# Altium PCB Holberton.PcbDoc (part 4 of 6)
Units mil, origin at the board's own origin, x right, y up, seen from the top; angles counter-clockwise.
Board outline 2963.39 x 3031.46 mil, 6 copper layers (Top Layer, GND, SL1, SL2, PWR, Bottom Layer), stack 30.516 mil thick; 455 components, 409 nets, 1505 pads, 1106 vias.
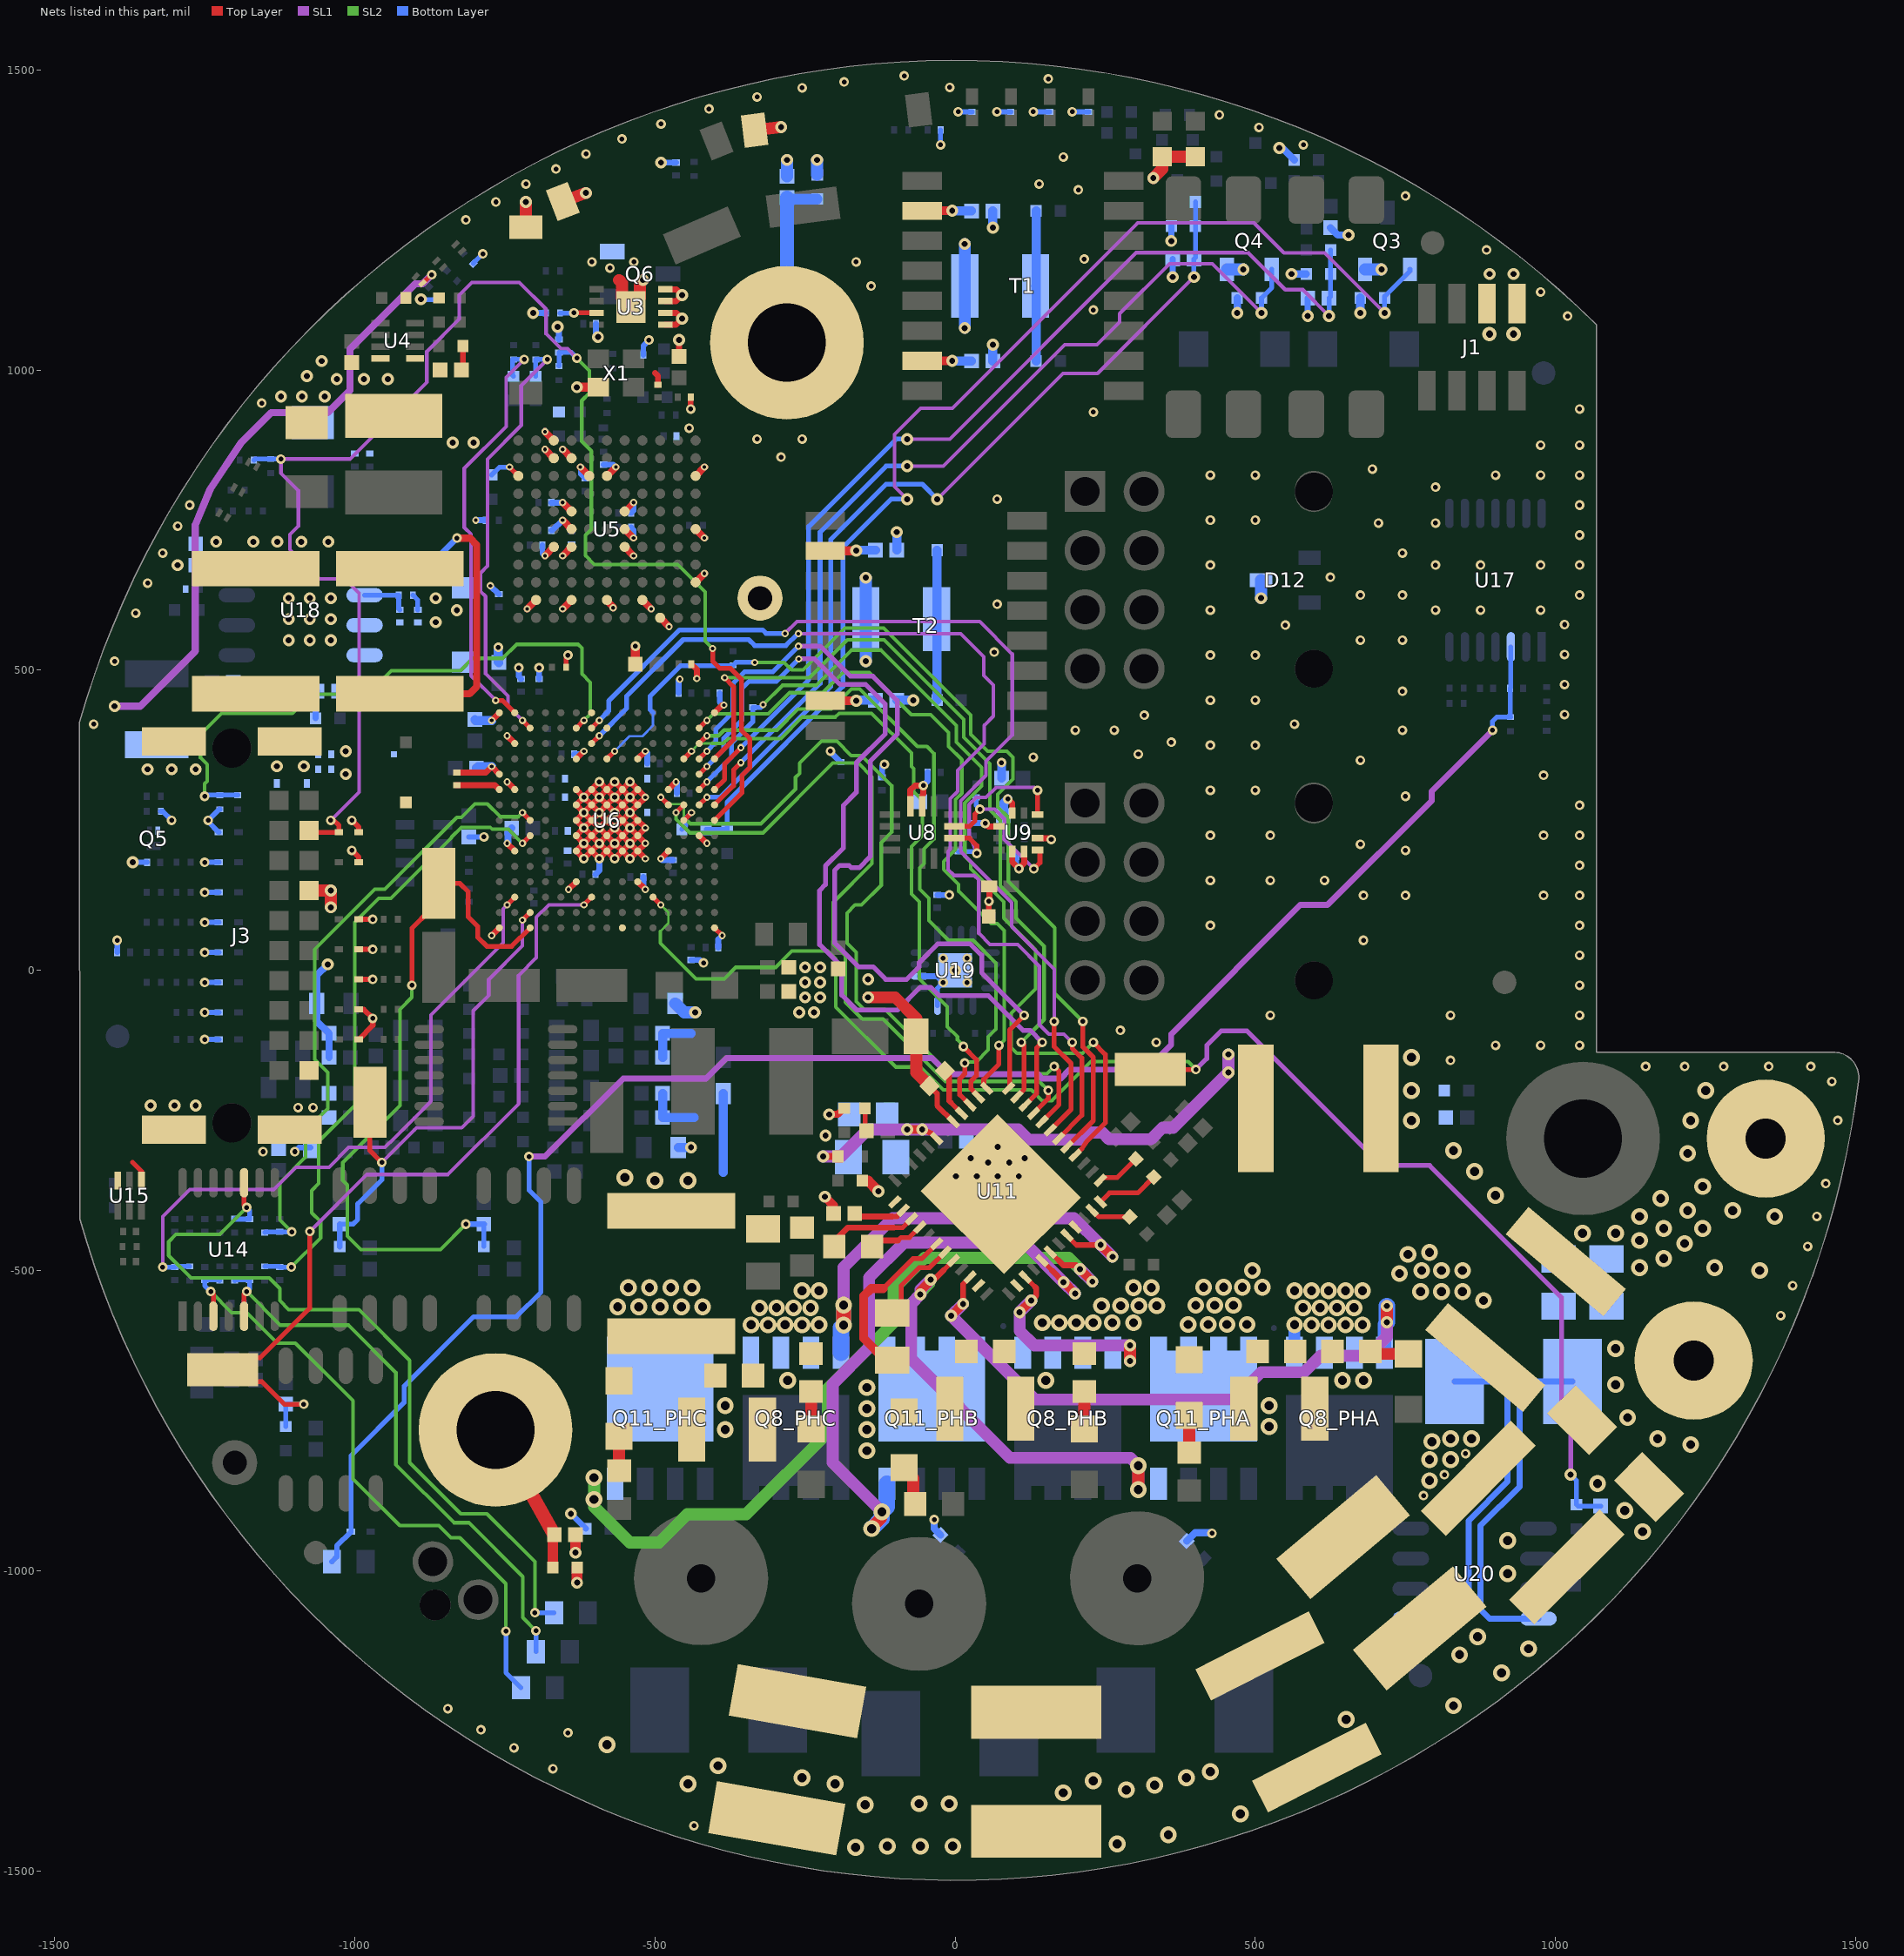
[diagram p8: the nets of this part, all layers, seen from the top]

## Via types
v1: diameter 16, hole 8, Top Layer to Bottom Layer, tented both sides, 470 vias
v2: diameter 20, hole 10, Top Layer to Bottom Layer, tented both sides, 272 vias
v3: diameter 12, hole 6, Top Layer to Bottom Layer, tented both sides, 199 vias
v4: diameter 28, hole 15, Top Layer to Bottom Layer, tented both sides, 159 vias
v5: diameter 24, hole 12, Top Layer to Bottom Layer, tented both sides, 6 vias

## Nets (pads, with @x,y where several pads share a name; then routed paths per layer and width w, separated by ;. In a path a pad name is that pad's centre, name@x,y a point inside that pad or via, vN(x,y) a via of type N, cw(c..) or ccw(c..) an arc to the next point about the centre after c; other vN are vias at no path point) (continued)
FB_STO1: C56.1 R43.1 R46.2 U6.G14 | length 1478.7
  Top Layer w8: U6.G14@-426.46,275.59 v3(-413.67,288.38)
  SL1 w6: v2(-30,785) 179.5,994.5 237.21,994.5 v2(397.71,1155)
  Bottom Layer w8: v3(-413.67,288.38) -391.62,288.38 -207,473 -207,718 -115,810 -55,810 v2(-30,785) ; v2(397.71,1155) C56.1@397.71,1185 400.17,1187.47 R46.2@400.18,1239.99 R43.1@400.18,1280
FB_STO2: C58.1 R47.1 R51.2 U6.F15 | length 1713.6
  Top Layer w8: U6.F15@-400.87,301.18 -384,318.05 -384,344 v3(-357,371)
  SL1 w6: v2(-80,885) -9,885 301.5,1195.5 488,1195.5 549.64,1133.86 578.85,1133.86 v2(622.71,1090)
  Bottom Layer w8: v3(-357,371) -244,484 -244,739.4 -98.4,885 v2(-80,885) ; v2(622.71,1090) C58.1@622.71,1120 625.18,1122.47 R51.2@625.18,1160 R47.1@625.17,1200
FSOE_STO1: Q4.1 R55.2 U6.G15 | length 1569.7
  Top Layer w8: U6.G15@-400.87,275.59 -369,307.46 -369,334 v3(-357,346)
  SL1 w6: v2(-80,840) -19.6,840 182.4,1042 236,1042 274,1080 274,1094 357,1177 428.18,1177 v2(510.18,1095)
  Bottom Layer w8: v3(-357,346) -225,478 -225,730 -115,840 v2(-80,840) ; v2(510.18,1095) R55.2@510.18,1120 527.41,1137.22 Q4.1@527.41,1167.76
FSOE_STO2: Q3.1 R54.2 R97.1 R98.1 | length 1955.4
  SL1 w6: v2(-80,785) -101,806 -101,892.8 -57.63,936.17 -4.83,936.17 304,1245 497.5,1245 547.5,1195 615.18,1195 v2(715.18,1095)
  Bottom Layer w8: R97.1@-414.82,235 -414.66,235.17 R98.1@-380.01,235.18 -380.01,279.99 -374,286 -187,473 -187,704.5 -106.5,785 v2(-80,785) ; v2(715.18,1095) R54.2@715.18,1120 715.18,1122.66 757.4,1164.88 Q3.1@757.4,1167.76
FSOE_STO2_CTRLR: R97.2 U6.H13 | length 52.5
  Top Layer w8: U6.H13@-452.05,249.99 v3(-439.26,262.79)
  Bottom Layer w8: R97.2@-455.18,235 -449,241.18 -449,253.05 v3(-439.26,262.79)
GD_CLK: U6.B7 U11.31 | length 1730.6
  Top Layer w8: U6.B7@-605.6,403.54 v3(-592.8,416.33) ; U11.31@158.41,-266.08 193,-231.5 193,-155 165,-127 v1(165,-85)
  SL1 w6: v3(-283.39,561.2) -263.38,581.21 40.79,581.21 95,527 95,392.1 51.47,348.57 51.47,324.78 9,282.31 9,197.9 93.82,113.08 93.82,73.18 165,2 v1(165,-85)
  Bottom Layer w8: v3(-592.8,416.33) -577,432.13 -577,449 -459,567 -390,567 -321,567 -315.2,561.2 v3(-283.39,561.2)
GD_CPH: C28.1 U11.4 | length 93.2
  Top Layer w8: -94.99,-449.99 -89.99,-444.99 -76.18,-444.99 U11.4@-58.73,-427.55
  Top Layer w10: C28.1@-138.5,-460 -128.5,-449.99 -94.99,-449.99
GD_CPL: C28.2 U11.3 | length 153
  Top Layer w8: -102.29,-428.45 -89.04,-428.45 -87.47,-428.45 U11.3@-72.65,-413.63
  Top Layer w10: C28.2@-201.5,-460 -201.49,-451.49 -178.45,-428.45 -102.29,-428.45
GD_CS: U6.G12 U11.32 | length 1434.2
  Top Layer w8: v3(-490.44,288.38) U6.G12@-477.64,275.59 ; U11.32@144.49,-252.16 173,-223.66 173,-168 v1(165,-160)
  SL2 w4: v3(-490.44,288.38) -479.05,277 -458,277 -452.06,271.05 -452.06,255.2 -444.86,248
  SL2 w6: -444.86,248 -441.14,244.28 -374,244.28 -323.72,244.28 -266,302 -266,321.3 -259,328.3 -259,345.18 -222.67,381.51 -196.73,381.51 -173.23,358 -156,358 -105.8,307.8 -105.8,230.36 -123.14,213.02 -123.14,141.86 -156.1,108.9 -166.7,108.9 -180.2,95.4 -180.2,45.2 -165,30 -165,-52 -152,-65 -117,-65 -9.67,-172.33 152.67,-172.33 v1(165,-160)
GD_DVDD: C18.1 U11.40 | length 82.5
  Top Layer w8: -7.19,-220.19 U11.40@10.86,-238.24
  Top Layer w9: C18.1@-17.48,-167.48 -10,-174.95 -10,-217.38 -7.19,-220.19
GD_FAULT_L: R83.1 U6.F14 U11.28 | length 1599.6
  Top Layer w8: U6.F14@-426.46,301.18 v3(-413.67,313.97) ; U11.28@200.17,-307.84 211.01,-296.99 218.99,-285.01 250,-254 250,-140 v1(230,-120)
  SL2 w6: v3(-320,442.5) -287.73,474.77 -231.65,474.77 -172.92,533.5 -123.5,533.5 2,408 2,380 44.1,337.9 44.1,307.1 16,279 16,190.2 26,180.2 26,169.4 81,114.4 81,87 134,34 134,-31 93.46,-71.54 93.46,-128.46 103,-138 212,-138 v1(230,-120)
  Bottom Layer w8: v3(-413.67,313.97) -372.3,355.34 -372.3,378.7 -337,414 R83.1@-337,438.19 -324.31,438.19 v3(-320,442.5)
GD_MISO: R80.1 U6.D8 U11.29 | length 1663.5
  Top Layer w8: U6.D8@-580.01,352.36 v3(-567.21,365.15) ; U11.29@186.25,-293.92 230,-250.18 230,-145 212.55,-127.55 v1(212.55,-85)
  SL2 w6: v3(-334,513) -285,513 -272.44,500.44 -253.36,500.44 -183.8,570 -119,570 26,425 26,393 54,365 86,365 96.34,354.66 96.34,318.56 71,293.22 71,272 88.58,254.42 88.58,148.42 166,71 166,-38.45 v1(212.55,-85)
  Bottom Layer w4: v3(-567.21,365.15) -542.36,390 -521,390 -503.23,407.77 -503.23,429.23
  Bottom Layer w8: -503.23,429.23 -508,434 -508,449 -508,456.84 -457.57,507.27 -370.92,507.27 -365,513.19 -334.19,513.19 v3(-334,513)
GD_MOSI: U6.C7 U11.30 | length 1775.1
  Top Layer w8: U6.C7@-605.6,377.95 v3(-592.8,390.74) ; U11.30@172.33,-280 211,-241.34 211,-146 195,-130 v1(195,-120)
  SL1 w6: v3(-261,561) 9,561 47.7,522.3 47.7,491.1 63.4,475.4 63.4,423.4 48.1,408.1 48.1,377.4 4,333.3 4,298 -8,286 -8,202 -12,198 -12,168 -2,158 31.6,158 39.33,150.26 39.33,61.67 58,43 104,43 140,7 140,-90 156,-106 181,-106 v1(195,-120)
  Bottom Layer w8: v3(-592.8,390.74) -547,436.54 -547,457 -453,551 -344,551 -334,541 -282,541 -262,561 v3(-261,561)
GD_PWM_EN: U6.G13 U11.33 | length 1279.9
  Top Layer w8: v3(-464.85,262.79) U6.G13@-452.05,275.59 ; U11.33@130.57,-238.24 155,-213.82 v1(155,-200)
  SL2 w6: v3(-464.85,262.79) -464.85,251.94 -442.03,229.13 -374,229.13 -319.87,229.13 -203.8,345.2 -161.2,345.2 -138.5,322.5 -138.5,177.9 -202.9,113.5 -202.9,43.9 -183,24 -183,-53 -155,-81 -120.22,-81 -26.27,-174.95 -16.35,-184.87 11.76,-184.87 139.87,-184.87 v1(155,-200)
GD_PWM_HA: U6.E14 U11.34 | length 1522.1
  Top Layer w8: U6.E14@-426.46,326.77 v3(-413.67,339.56) ; U11.34@116.65,-224.32 136,-204.98 136,-129 v1(145,-120)
  SL1 w8: v3(-260.6,518.8) -234.31,518.8 -191.51,476 -149,476 -116.57,443.57 -116.57,393.73 -164.5,345.79 -164.5,296.5 -186.5,274.5 -186.5,203.5 -216,174 -216,143 -226,133 -226,43 -189,6 -189,-41.02 -164.02,-66 -96,-66 -58,-28 -41,-28 -27,-42 55,-42 113,-100 125,-100 v1(145,-120)
  Bottom Layer w8: v3(-413.67,339.56) -385.3,367.93 -385.3,386.7 -355,417 -355,470 -343.3,481.7 -297.7,481.7 v3(-260.6,518.8)
GD_PWM_HB: U6.D14 U11.36 | length 1525.6
  Top Layer w8: U6.D14@-426.46,352.36 v3(-413.67,365.15) ; U11.36@88.81,-196.49 91,-194.3 91,-99 v1(115,-75)
  SL1 w8: v3(-261,540) -224.32,540 -174.32,490 -137,490 -96.39,449.39 -96.39,393.61 -141.38,348.62 -141.38,189.62 -160,171 -173,171 -177,175 -192.36,175 -201,166.36 -201,46 -161,6 -136.73,6 -115.73,-15 -81,-15 -60,6 -60,13 -29,44 25,44 44,25 44,-4 v1(115,-75)
  Bottom Layer w8: v3(-413.67,365.15) -398.7,380.12 -398.7,401.3 -370,430 -370,478 -350.9,497.1 -303.9,497.1 v3(-261,540)
GD_PWM_HC: U6.D13 U11.38 | length 1079.2
  Top Layer w8: U6.D13@-452.05,352.36 v3(-439.26,365.15) ; v1(13.61,-126.91) 35.47,-148.76 35.47,-175.24 26.55,-184.15 26.55,-197.23 38.7,-209.38 U11.38@38.7,-210.41
  SL2 w4: v3(-439.26,365.15) -426.46,377.95 -404.83,377.95
  SL2 w6: -404.83,377.95 -386.48,377.95 -378.19,386.24 -290.5,386.24 -254.74,422 -199.58,422 -193.28,428.3 -139.3,428.3 -73,362 -73,339.9 -69.1,336 -69.1,297.8 -54.73,283.43 -54.73,224.47 -73,206.2 -73,127.33 -59.68,114.01 -59.68,-14 -13.28,-60.4 -13.28,-93.72 3.83,-110.83 3.83,-115.48 13.61,-125.26 v1(13.61,-126.91)
GD_PWM_LA: U6.D15 U11.35 | length 1340.5
  Top Layer w8: U6.D15@-400.87,352.36 -369,384.23 -369,472.6 v3(-384,487.6) ; U11.35@102.73,-210.41 115,-198.14 115,-125 v1(110,-120)
  SL2 w6: v3(-384,487.6) -242.76,487.6 -179.72,550.64 -118.64,550.64 14,418 14,388 58,344 58,267 75,250 75,140.6 101,114.6 101,87 148,40 148,-82 v1(110,-120)
GD_PWM_LB: U6.B14 U11.37 | length 1173.3
  Top Layer w8: U6.B14@-426.46,403.54 v3(-413.67,416.33) ; U11.37@52.62,-196.49 47.61,-191.47 47.61,-181.43 72.81,-156.23 v1(72.81,-125)
  SL2 w6: v3(-413.67,416.33) -402.68,427.32 -311.31,427.32 -276.01,462.62 -220.24,462.62 -186.66,496.2 -143.3,496.2 -73.1,426 -41,426 -11,396 -11,373 11.08,350.92 11.08,295.08 0.61,284.61 0.61,200.91 -19,181.3 -19,168.1 5.7,143.4 5.7,132 59.7,78 70.03,78 81.62,66.41 81.62,-116.19 v1(72.81,-125)
GD_PWM_LC: U6.C14 U11.39 | length 1187.6
  Top Layer w8: U6.C14@-426.46,377.95 v3(-413.67,390.74) ; v1(15.84,-154.39) 15.84,-172.57 7.65,-180.77 7.65,-207.19 U11.39@24.78,-224.32
  SL2 w6: v3(-413.67,390.74) -394.26,390.74 -384.83,400.17 -296.96,400.17 -261.81,435.32 -206.22,435.32 -172.64,468.9 -158.9,468.9 -63,373 -47,373 -35.5,361.5 -35.5,218.64 -51.6,202.54 -51.6,178 -58.94,170.66 -58.94,135.05 -44,120.11 -44,83 -11,50 30,50 68.02,11.98 68.02,-97.84 55.09,-110.77 55.09,-132.58 35.19,-152.48 17.75,-152.48 v1(15.84,-154.39)
GD_SOA: R14.2 U11.25 | length 73.5
  Top Layer w8: U11.25@241.92,-349.6 246.53,-345 270.01,-345 R14.2@300.74,-314.27
GD_SOB: R15.2 U11.24 | length 106
  Top Layer w8: U11.24@241.92,-385.8 256.99,-370.73 304.28,-370.73 R15.2@330.74,-344.27
GD_SOC: R19.2 U11.23 | length 67.3
  Top Layer w8: U11.23@228.01,-399.71 239.02,-410.73 R19.2@290.73,-410.73
GD_VCP: C30.2 U11.7 | length 147.9
  Top Layer w8: C30.2@-105,-570.63 -89.99,-555.62 -89.99,-524.99 -59.99,-494.99 -42.67,-494.99 U11.7@-16.98,-469.31
GD_VGLS: C24.1 U11.2 | length 87
  Top Layer w9: -104.99,-409.99 -96.86,-409.99 U11.2@-86.57,-399.71
  Top Layer w10: C24.1@-167.29,-405 -162.28,-409.99 -104.99,-409.99
GHA: Q11_PHA.4 U11.8 | length 826.2
  Top Layer w8: -19,-499.17 U11.8@-3.06,-483.23
  Top Layer w10: v2(-41,-515) -34.83,-515 -19,-499.17
  Top Layer w15: v2(-58,-540) -58,-533.7 -41,-516.7 v2(-41,-515)
  Top Layer w20: v4(305,-865) v4(305,-825)
  SL1 w20: v2(-41,-515) -57.5,-531.5 -57.5,-539.5 v2(-58,-540) -73,-555 -73,-648 91,-812 292,-812 v4(305,-825) v4(305,-865)
  SL2 w15: v2(-58,-540) -41,-523 v2(-41,-515)
  Bottom Layer w15: v2(-58,-540) -58,-529.69 -43.31,-515 v2(-41,-515)
GHB: Q11_PHB.4 U11.17 | length 1138
  Top Layer w8: U11.17@144.49,-483.23 161.5,-500.23
  Top Layer w10: 161.5,-500.25 v2(180.58,-519.32)
  Top Layer w15: v2(180.58,-519.32) v2(199.63,-538.37)
  Top Layer w20: v4(-138.89,-930) -138.89,-927.84 -123.53,-912.48 -123.53,-903.53 v4(-122,-902)
  SL1 w20: v4(-138.89,-930) -138.89,-927.84 -123.53,-912.48 -123.53,-903.53 v4(-122,-902) -204,-820 -204,-689 -143.4,-628.4 -143.4,-511.8 -85.3,-453.7 114.95,-453.7 v2(180.58,-519.32) v2(199.63,-538.37)
  SL2 w15: v2(180.58,-519.32) v2(199.63,-538.37)
  Bottom Layer w15: v2(180.58,-519.32) v2(199.63,-538.37)
  Bottom Layer w26.95: v4@-138.69,-929.8 -122.2,-913.31 -122.2,-902.2 v4(-122,-902) ; v4@-122,-901.72 -113.89,-893.61 Q11_PHB.4@-113.89,-855.05
GHC: Q11_PHC.4 U11.18 | length 1340.5
  Top Layer w8: U11.18@158.41,-469.31 170,-480.89 172.05,-482.95
  Top Layer w10: 172.05,-482.95 180.1,-491 201.09,-491 v2(207.99,-497.91)
  Top Layer w15: v2(207.99,-497.91) v2(228.54,-518.46)
  SL1 w20: v2(207.99,-497.91) v2(228.54,-518.46)
  SL2 w20: v4(-601.44,-845) v4(-601.44,-881.38) -601.44,-893.56 -542.1,-952.9 -492.9,-952.9 -446,-906 -348,-906 -212,-770 -212,-696 -131,-615 -102.5,-586.5 -102.5,-530.5 -51,-479 189.09,-479 v2(207.99,-497.91) v2(228.54,-518.46)
  Bottom Layer w15: v2(207.99,-497.91) v2(228.54,-518.46)
GLA: Q8_PHA.4 U11.10 | length 1145.9
  Top Layer w8: 13.11,-522.74 U11.10@24.78,-511.07
  Top Layer w10: v2(13.11,-555.51) 13.11,-522.74
  Top Layer w15: v2(-6.69,-575.31) v2(13.11,-555.51)
  Top Layer w20: v2(718.93,-586) v2(718.93,-559)
  SL1 w20: v2(13.11,-555.51) v2(-6.69,-575.31) 133,-715 464,-715 509.79,-669.21 581.27,-669.21 608.5,-641.97 686.96,-641.97 718.93,-610 v2(718.93,-586) v2(718.93,-559)
  SL2 w15: v2(-6.69,-575.31) v2(13.11,-555.51)
  Bottom Layer w15: v2(-6.69,-575.31) v2(13.11,-555.51)
  Bottom Layer w23: Q8_PHA.4@714.93,-636.95 714.93,-590 v2(718.93,-586)
  Bottom Layer w26.95: v2(718.93,-586) v2(718.93,-559)
GLB: Q8_PHB.4 U11.15 | length 436.2
  Top Layer w8: U11.15@116.65,-511.07 133,-527.41
  Top Layer w10: v2(126.74,-549.94) v2(126.74,-549.94) 135,-541.69 135,-529.42 133,-527.42
  Top Layer w15: v2(107.34,-569.34) v2(126.74,-549.94)
  Top Layer w20: v2(291.4,-650.54) v2(291.4,-624.83)
  SL1 w20: v2(126.74,-549.94) v2(107.34,-569.34) 107.34,-600.34 131.83,-624.83 v2(291.4,-624.83) 291.4,-647.53 v2(291.4,-650.54)
  SL2 w15: v2(107.34,-569.34) v2(126.74,-549.94)
  Bottom Layer w15: v2(107.34,-569.34) v2(126.74,-549.94)
GLC: Q8_PHC.4 U11.20 | length 864.8
  Top Layer w8: U11.20@186.25,-441.47 202.36,-457.58
  Top Layer w10: 202.36,-457.58 242.02,-457.58 v2(242.27,-457.33)
  Top Layer w15: v2(242.27,-457.33) v2(261.97,-477.03)
  Top Layer w25: v4(-185.95,-590.76) v4(-185.95,-557.75)
  SL1 w20: v4(-185.95,-557.75) -185.95,-494.55 -104.3,-412.9 197.84,-412.9 v2(242.27,-457.33) v2(261.97,-477.03)
  SL1 w25: v4(-185.95,-590.76) v4(-185.95,-557.75)
  SL2 w15: v2(242.27,-457.33) v2(261.97,-477.03)
  Bottom Layer w15: v2(242.27,-457.33) v2(261.97,-477.03)
  Bottom Layer w25: v4(-185.95,-590.76) v4(-185.95,-557.75)
  Bottom Layer w26.95: Q8_PHC.4@-190.17,-636.95 -190.17,-594.97 v4(-185.95,-590.76)
GND: C1.2 C2.2 C4.2 C5.2 C6.2 C7.2 C8.2 C9.1 C10.1 C11.2 C14.2 C15.2 C16.2 C17.2 C18.2 C24.2 C25.2 C26.2 C31_PHA.2 C31_PHB.2 C31_PHC.2 C35_PHA.1 C35_PHB.1 C35_PHC.1 C37_PHA.2 C37_PHB.2 C37_PHC.2 C40.2 C44.2 C45.2 C46.2 C47.2 C48.2 C49.2 C50.2 C51.2 C52.2 C53.2 C54.2 C55.2 C56.2 C57.2 C58.2 C59.2 C62.2 C63.2 C64.2 C65.2 C66.2 C67.2 C68.2 C69.2 C70.1 C71.1 C72.1 C73.1 C74.1 C75.1 C76.1 C77.2 C78.1 C79.2 C80.2 C81.1 C82.2 C83.2 C84.2 C85.2 C86.2 C87.2 C88.2 C92.2 C93.2 C94.2 C95.1 C97.2 C98.2 C99.1 C100.2 C101.2 C102.2 C103.2 C104.2 C105.2 C106.2 C107.2 C108.2 C109.2 C110.2 C111.2 C112.2 C113.2 C114.2 C115.2 C116.2 C119.2 C120.2 C121.2 C122.2 C123.2 C126.1 C128.2 C129.2 C131.2 C134.2 C135.2 C138.1 C139.1 C141.1 C142.1 C145.2 C146.2 C147.2 C148.2 C149.2 C150.2 C161.2 C162.2 D1.1 D2.1 D3.A D4.A D5.A D6.A D7.A D8.A D9.A D10.A D11.A D12.3 D13.A D14.A D15.A D16.A D17.A D18.A D19.A D20.A D21.A D22.A D23.A J1.2 J1.4 J3.2 J3.14 J3.MH1 J3.MH2 J3.MH3 J3.MH4 LED11.K LED12.K M2.1 NT1.1 NT3_PHA.2 NT3_PHB.2 NT3_PHC.2 Q3.2 Q4.2 Q5.2 Q6.2 Q8_PHA.1 Q8_PHB.1 Q8_PHC.1 R1.1 R2.1 R5.1 R13.1 R17.1 R24.1 R28.1 R29.1 R30.1 R31.1 R32.1 R39.1 R41.1 R46.1 R48.2 R51.1 R52.2 R54.1 R55.1 R56.1 R76.1 R77.1 R89.1 R92.1 R95.1 R114.1 R115.1 R135.1 R142.1 R143.1 RT1.2 RT2.2 RT3.2 SW1.2 SW2.2 SW3.2 TP3.1 U3.1 U3.2 U3.3 U3.4 U3.9 U4.4 U5.A3 U5.B4 U5.B6 U5.B8 U5.B10 U5.C1 U5.E5 U5.E8 U5.E9 U5.F1 U5.F5 U5.F8 U5.G5 U5.G8 U5.J1 U5.J6 U5.J7 U5.K8 U5.K9 U5.L9 U6.A1 U6.A15 U6.C2 U6.D6 U6.D10 U6.E1 U6.F2 U6.F6 U6.F7 U6.F8 U6.F9 U6.F10 U6.F12 U6.G6 U6.G7 U6.G8 U6.G9 U6.G10 U6.H6 U6.H7 U6.H8 U6.H9 U6.H10 U6.J6 U6.J7 U6.J8 U6.J9 U6.J10 U6.J14 U6.K2 U6.K6 U6.K7 U6.K8 U6.K9 U6.K10 U6.K12 U6.M6 U6.M10 U6.R1 U6.R15 U8.6 U8.7 U9.2 U9.6 U9.8 U9.11 U9.12 U11.1 U11.11 U11.14 U11.21 U11.41 U11.49 U18.7 U19.8 U19.10 U19.17 X1.2 | length 6739.4
  Top Layer w8: R5.1@-648.19,505 -648.19,521.81 v1(-645,525) ; U6.R15@-400.87,70.86 v3(-388.08,58.06)
  Top Layer w8.84: v1(-1005,200) -993.46,188.46 D4.A@-993.46,180 ; v1(-1005,250) -993.46,238.46 D3.A@-993.46,230 ; D10.A@-993.46,-115 -970,-91.54 v1(-970,-80) -985,-65 D8.A@-993.46,-65 ; D7.A@-993.46,-15 v1(-970,-15) ; D6.A@-993.46,35 v1(-970,35) ; D5.A@-993.46,85 v1(-970,85)
  Top Layer w9: C18.2@-42.53,-192.53 -30,-205.06 -30,-225.22 U11.41@-3.06,-252.16
  Top Layer w10: C11.2@-830.01,329.63 -781.87,329.63 v3(-771.94,339.56) U6.E1@-759.14,326.77 ; v3(-771.94,58.06) U6.R1@-759.14,70.86 ; v3(-771.94,416.33) U6.A1@-759.14,429.13 ; v3(-746.35,211.61) U6.K2@-733.55,198.81 ; v3(-746.35,313.97) U6.F2@-733.55,301.18 ; v3(-746.35,390.74) U6.C2@-733.55,377.95 ; v3(-643.98,134.84) U6.M6@-631.19,147.63 ; U6.F6@-631.19,301.18 v1(-618.39,288.39) ; U6.D6@-631.19,352.36 v3(-618.39,365.15) ; U5.G5@-550.47,764.53 v3(-535.71,779.29) ; U6.M10@-528.82,147.63 v3(-516.03,134.84) ; U6.D10@-528.82,352.36 v3(-516.03,365.15) ; v3(-516.03,186.03) U6.K10@-528.82,198.81 ; -500,995 -495.01,990 C4.2@-495.01,975.63 ; v3(-490.44,186.02) U6.K12@-477.64,198.81 ; U3.1@-482.92,1075.47 -465.16,1075.47 v2(-455,1085.63) -464.53,1095.16 U3.2@-482.92,1095.16 ; U3.3@-482.92,1114.84 -465.16,1114.84 v2(-455,1125) -464.53,1134.53 U3.4@-482.92,1134.53 ; U6.F12@-477.64,301.18 v3(-464.85,313.97) ; C2.2@-460.01,1022.72 v2(-460.01,1049.99) ; v1(-440.63,935) C5.2@-440.63,955 ; C10.1@-439.37,509.99 -430.37,500.99 v3(-430.37,486) ; U6.J14@-426.46,224.41 v3(-413.67,211.61) ; U6.A15@-400.87,429.13 -388.08,441.92 v3(-385.08,441.92) ; U8.7@-74.69,273.57 -74.69,300.31 -67,308 v1(-53,308) -53,293 -55,291 U8.6@-55,273.57 ; v1(50,245) 55.15,239.85 U9.8@72.87,239.84 ; LED12.K@56,90 v1(56,115) 56.79,115.79 LED11.K@56.79,140 ; v1(87.7,285.6) 95.16,278.14 U9.6@95.16,262.14 ; U9.11@95.16,197.86 95.16,180.44 v1(106,169.6) 114.85,178.45 U9.12@114.85,197.86 ; U9.2@137.14,220.16 157.84,220.16 v1(160,218) ; v1(-618.39,211.61) U6.K6@-631.19,198.81 v1(-618.38,186.03) U6.K7@-605.6,198.81 ; v1(-618.39,211.61) U6.K7@-605.6,198.81 ; v1(-618.39,211.61) -631.18,224.41 v1(-618.39,237.21) ; v1(-618.39,211.61) U6.J7@-605.59,224.41 ; v1(-618.39,237.21) U6.H6@-631.19,249.99 v1(-618.39,262.79) ; v1(-618.39,237.21) U6.J7@-605.59,224.41 ; v1(-618.39,237.21) U6.H7@-605.6,249.99 ; v1(-618.39,262.79) U6.G6@-631.19,275.59 v1(-618.39,288.39) ; v1(-618.39,262.79) U6.G7@-605.6,275.59 ; v1(-618.39,262.79) U6.H7@-605.6,249.99 ; v1(-618.39,288.39) U6.G7@-605.6,275.59 ; v1(-618.39,288.39) U6.F7@-605.6,301.18 ; U6.K7@-605.6,198.81 v1(-592.8,211.61) ; U6.K7@-605.6,198.81 v1(-592.8,186.03) U6.K8@-580.01,198.81 ; U6.J7@-605.59,224.41 v1(-592.8,237.2) ; U6.J7@-605.59,224.41 v1(-592.8,211.61) ; U6.H7@-605.6,249.99 v1(-592.8,262.8) ; U6.H7@-605.6,249.99 v1(-592.8,237.2) ; U6.G7@-605.6,275.59 v1(-592.8,262.8) ; U6.G7@-605.6,275.59 v1(-592.8,288.39) ; U6.F7@-605.6,301.18 v1(-592.8,313.97) U6.F8@-580.01,301.18 ; U6.F7@-605.6,301.18 v1(-592.8,288.39) ; v1(-592.8,211.61) U6.J8@-580,224.41 ; v1(-592.8,211.61) U6.K8@-580.01,198.81 ; v1(-592.8,237.2) U6.J8@-580,224.41 ; v1(-592.8,237.2) U6.H8@-580.01,249.99 ; v1(-592.8,262.8) U6.G8@-580.01,275.59 ; v1(-592.8,262.8) U6.H8@-580.01,249.99 ; v1(-592.8,288.39) U6.F8@-580.01,301.18 ; v1(-592.8,288.39) U6.G8@-580.01,275.59 ; U6.K8@-580.01,198.81 v1(-567.21,211.61) ; U6.K8@-580.01,198.81 v1(-567.21,186.03) U6.K9@-554.41,198.81 ; U6.J8@-580,224.41 v1(-567.21,237.2) ; U6.J8@-580,224.41 v1(-567.21,211.61) ; U6.H8@-580.01,249.99 v1(-567.21,237.2) ; U6.H8@-580.01,249.99 v1(-567.21,262.8) ; U6.G8@-580.01,275.59 v1(-567.21,288.39) ; U6.G8@-580.01,275.59 v1(-567.21,262.8) ; U6.F8@-580.01,301.18 v1(-567.21,313.97) U6.F9@-554.41,301.18 ; U6.F8@-580.01,301.18 v1(-567.21,288.39) ; v1(-567.21,211.61) U6.K9@-554.41,198.81 ; v1(-567.21,211.61) U6.J9@-554.41,224.41 ; v1(-567.21,237.2) U6.H9@-554.41,249.99 ; v1(-567.21,237.2) U6.J9@-554.41,224.41 ; v1(-567.21,262.8) U6.H9@-554.41,249.99 ; v1(-567.21,262.8) U6.G9@-554.41,275.59 ; v1(-567.21,288.39) U6.F9@-554.41,301.18 ; v1(-567.21,288.39) U6.G9@-554.41,275.59 ; U6.K9@-554.41,198.81 v1(-541.62,186.03) U6.K10@-528.82,198.81 ; U6.K9@-554.41,198.81 v1(-541.62,211.61) ; U6.J9@-554.41,224.41 v1(-541.62,237.21) ; U6.J9@-554.41,224.41 v1(-541.62,211.61) ; U6.H9@-554.41,249.99 v1(-541.62,262.79) ; U6.H9@-554.41,249.99 v1(-541.62,237.21) ; U6.G9@-554.41,275.59 v1(-541.62,262.79) ; U6.G9@-554.41,275.59 v1(-541.62,288.39) ; U6.F9@-554.41,301.18 v1(-541.62,313.98) U6.F10@-528.82,301.18 ; U6.F9@-554.41,301.18 v1(-541.62,288.39) ; v1(-541.62,211.61) U6.J10@-528.82,224.41 ; v1(-541.62,211.61) U6.K10@-528.82,198.81 ; v1(-541.62,237.21) U6.H10@-528.82,249.99 ; v1(-541.62,237.21) U6.J10@-528.82,224.41 ; v1(-541.62,262.79) U6.G10@-528.82,275.59 ; v1(-541.62,262.79) U6.H10@-528.82,249.99 ; v1(-541.62,288.39) U6.G10@-528.82,275.59 ; v1(-541.62,288.39) U6.F10@-528.82,301.18 ; U6.K10@-528.82,198.81 v3(-516.03,211.62) U6.J10@-528.82,224.41 ; U6.J10@-528.82,224.41 v3(-516.03,237.2) U6.H10@-528.82,249.99 ; U6.G10@-528.82,275.59 v3(-516.02,288.39) U6.F10@-528.82,301.18